# KiCad board analog_i.kicad_pcb (continued)
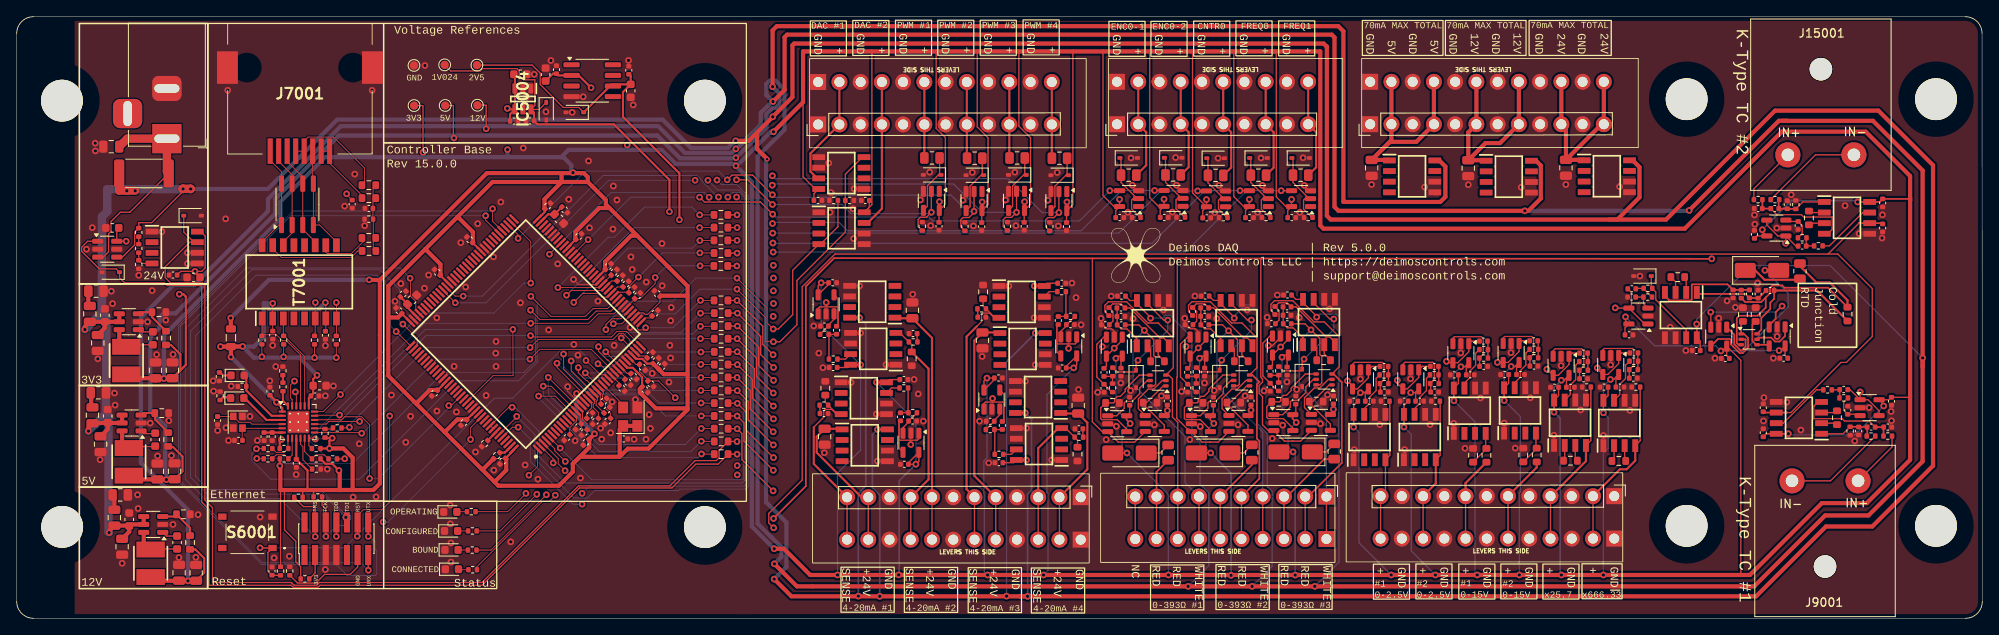
[diagram p0: board, top side]
## Routing (per net, layer and track width the routed paths; a pad name or vN(x,y) marks a point on that pad's centre or on a via; arc(x,y) is an arc through that point) (continued)
  Top w0.5: C6031.2 70.35,41.79 70.35,42.66 73.48,45.78 74.19,45.78 ; 72.11,19.33 67.35,19.33 66.5,18.48 ; 72.11,19.33 73.08,20.3 75.55,20.3 80.22,24.97 80.22,25.12 ; 72.11,19.33 C6043.2 72.11,22.61 Y6001.4 Y6001.1 ; 70.88,49.09 69.66,49.09 66.81,46.25 66.81,45.38 C6033.2 ; 70.88,49.09 70.45,49.52 70.45,50.05 68.29,52.21 ; 70.88,49.09 74.19,45.78 ; 65.15,53.27 65.15,52.24 65.17,52.21 ; 65.15,53.27 67.82,53.27 68.29,52.8 68.29,52.21 ; 65.15,53.27 56.22,53.27 43.42,40.47 ; 57.13,16.32 58.54,17.73 58.54,19.05 C6028.2 ; 57.13,16.32 57.59,15.86 64.83,15.86 66.5,17.53 66.5,18.48 ; 57.13,16.32 55.59,17.86 ; 65.17,52.21 63.11,50.15 63.11,49.03 C6037.2 ; 65.17,52.21 56.89,52.21 52.73,48.05 ; 65.17,52.21 68.29,52.21 ; C6039.2 54.55,44.99 54.55,46.23 52.73,48.05 ; 150.27,67.83 150.6,67.83 ; 150.27,67.83 155.88,67.83 155.88,47 156.27,46.62 199.47,46.62 211.08,58.23 221.11,58.23 226.42,52.92 226.42,50.02 ; 150.27,67.83 94.04,67.83 94.04,61.76 v1(90.49,58.22) ; C6038.2 50.67,41.1 50.67,42.36 48.86,44.18 ; C6022.2 74.51,27.43 74.51,27.02 76.42,25.12 80.22,25.12 ; 48.86,44.18 52.73,48.05 ; 48.86,44.18 44.43,39.75 44.43,36 ; 44.43,36 44.43,29.02 47.81,25.65 ; 44.43,36 45.58,36 C6036.2 ; 40.17,15.35 42.65,15.35 43.42,16.12 43.42,40.47 ; 40.17,15.35 40.17,19.22 39.06,20.33 v1(37.4,20.33) ; 40.17,15.35 38.62,15.35 ; C6025.2 77.36,29.21 80.22,29.21 ; 42.17,40.47 v1(42.15,40.5) 43.42,40.47 ; 38.62,15.35 31.52,15.35 31.52,18.19 v1(31.47,18.25) ; 38.62,15.35 38.62,17.59 v1(38.53,17.69) ; 47.81,25.65 47.81,25.74 49.4,27.32 50.26,27.32 C6032.2 ; 47.81,25.65 51.18,22.28 ; 80.22,38.6 80.22,29.21 ; 80.22,38.6 77.01,38.6 C6029.2 ; 80.22,38.6 80.22,39.75 74.19,45.78 ; 80.22,29.21 80.22,25.12 ; FB7001.1 v1(25.59,35.94) 25.62,35.91 ; C6030.2 53.76,23.8 52.7,23.8 51.18,22.28 ; 226.42,50.02 226.42,18.96 221.24,13.78 215.86,13.78 207.27,5.18 v1(189.74,5.18) v1(184.71,5.18) v1(179.68,5.18) v1(174.66,5.18) v1(169.65,5.18) v1(164.37,5.18) v1(137.72,5.18) v1(122.79,5.18) v1(116.11,5.18) v1(98.15,5.18) 94.88,5.18 91.75,8.32 v1(90.58,8.32) ; 226.42,50.02 226.42,50.3 ; v1(69.09,22.07) C6021.2 68.46,21.36 68.46,20.44 66.5,18.48 ; 55.59,17.86 51.18,22.28 ; 55.59,17.86 55.79,17.86 R6021.1 ; 13.11,29.53 L10001.1 13.57,28.72 C10006.1 18.63,28.74
  Top w1: 16.6,28.72 C10003.1
  In2.Cu w0.15: v1(153.01,23.44) 154.58,25.01 v1(157.46,25.01) ; v1(147.6,24.9) 144.74,24.9 v1(143.16,23.32) ; v1(126.4,29.96) 126.4,35.06 v1(121.69,39.77) ; v1(21.31,41.51) 21.31,40.65 v1(19.44,38.78) 19.42,38.78 v1(13.09,45.12) ; v1(133.15,23.31) 134.69,24.85 v1(137.59,24.85) ; v1(120.74,18.93) 116.03,23.64 v1(116.03,28.74)
  In2.Cu w0.25: v1(58.66,61.01) 58.66,56.11 v1(58.69,56.08) ; v1(73,56.63) 73,59.16 v1(68.69,63.48) ; v1(31.65,21.4) 31.65,18.43 v1(31.47,18.25)
  Bottom w0.15: v1(151.31,31.24) 151.31,25.14 v1(153.01,23.44) 152.05,22.48 152.05,20.48 v1(152.63,19.91) ; v1(210.75,32.04) 203.84,32.04 v1(203.79,31.99) ; v1(107.53,18.44) 107.53,23.54 v1(102.82,28.25) ; v1(178.72,30.13) 177.88,29.29 v1(177.88,26.06) 179.82,24.13 179.82,15.15 179.68,15.01 v1(179.68,5.18) ; v1(137.72,5.18) 137.72,5.19 137.72,14.83 v1(132.77,19.78) 132.19,20.35 132.19,22.35 v1(133.15,23.31) 131.45,25.01 v1(131.45,31.11) ; v1(116.11,5.18) 115.7,5.59 115.7,14.69 115.65,14.74 115.65,18.82 116.03,19.2 v1(116.03,28.74) ; v1(174.66,5.18) 174.38,5.46 174.38,23.52 v1(171.87,26.03) 171.87,29.26 v1(172.71,30.1) ; v1(166.7,27) 165.89,26.19 v1(165.89,22.88) 166.76,22.01 166.76,8.07 v1(169.65,5.18) ; v1(122.79,5.18) 123.32,5.72 123.32,14.91 123.2,15.04 123.2,26.77 v1(126.4,29.96) ; v1(209.06,41.64) 211.84,38.86 211.84,37.27 206.56,31.99 v1(203.79,31.99) ; v1(190.58,28.58) 189.74,27.74 v1(189.74,24.59) 190.31,24.02 190.31,20.32 189.74,19.75 v1(189.74,5.18) ; v1(96.2,40.14) 96.2,35.04 v1(100.91,30.33) 100.91,20.12 98.15,17.36 v1(98.15,5.18) ; v1(223.26,25.41) 219.8,21.95 212,21.95 v1(211.86,22.09) ; v1(142.77,19.79) 142.2,20.36 142.2,22.36 v1(143.16,23.32) 141.45,25.02 v1(141.45,31.12) ; v1(160.68,26.99) 159.87,26.18 v1(159.87,22.88) 160.52,22.22 160.52,9.03 v1(164.37,5.18) ; v1(203.79,31.99) 203.17,32.61 195.85,32.61 v1(192.39,36.08) ; 13.06,45.09 v1(13.09,45.12)
  Bottom w0.2: v1(220.14,49.81) 219.98,49.98 212.22,49.98 v1(208.74,46.49) ; v1(145.22,5.14) 145.22,17.35 v1(142.77,19.79) ; v1(152.89,5.17) 152.89,19.65 v1(152.63,19.91) ; v1(184.71,5.18) 184.57,5.33 184.57,23.94 v1(183.84,24.66) 183.84,27.62 v1(184.71,28.48) ; v1(107.53,18.44) 105.52,16.43 105.52,5.25 v1(105.47,5.19)
  Bottom w0.5: v1(66.52,53.32) 66.32,53.52 66.32,54.22 65.37,55.17 65.11,55.17 ; 58.7,55.17 65.11,55.17 ; 58.7,55.17 v1(58.69,56.08) 58.7,55.94 ; 58.7,55.17 36.86,55.17 31.52,49.83 31.52,47.77 17.6,33.85 v1(17.6,28.7) ; 65.11,55.17 65.99,56.05 73,56.05 ; v1(90.58,8.32) 87.91,10.99 87.91,52.23 v1(86,54.14) ; 73,56.05 v1(73,56.63) ; 73,56.05 77.11,56.05 78.79,54.37 85.77,54.37 v1(86,54.14) ; v1(69.09,22.07) 66.94,24.22 v1(66.94,26.89) ; v1(86,54.14) 86.1,54.14 90.17,58.22 v1(90.49,58.22) ; v1(42.15,40.5) 30.15,40.5 v1(25.59,35.94)
  vias: v1(110.34,49.85) v1(115.45,49.82) v1(120.53,49.85) v1(125.59,49.82)
+5V: length 241.6
  Top w0.15: TP7002.1 52.21,61.36 52.21,57.54 v1(52.28,57.47)
  Top w0.25: 19.82,17.58 19.82,19.36 ; C11008.1 19.82,17.59 ; 19.82,19.36 18.69,20.5 18.19,20.5
  Top w0.5: 13.42,17.06 13.86,16.62 C11007.1 18.85,16.62 C11008.1 ; IC3001.8 170.12,54.78 170.85,54.06 170.85,50.43 170.24,49.82 158.65,49.82 158.65,70.24 158.04,70.85 90.9,70.85 90.39,70.34 v1(90.39,63.61)
  Bottom w0.15: 17.6,16.6 v1(17.9,16.6)
  Bottom w0.5: v1(17.9,16.6) 17.9,17.62 17.75,17.77 17.75,23.03 15.97,24.8 15.97,33.64 17.07,34.74 17.07,36 17.57,36.5 19,36.5 30.92,48.42 30.92,50.2 38.5,57.77 76.61,57.77 79.34,55.04 85.94,55.04 v1(86,55.11) 89.66,58.77 89.66,60.33 90.4,61.06 90.73,61.06 91.21,61.54 91.21,62.78 v1(90.39,63.61)
+12V: length 728.9
  Top w0.15: v1(200.9,35.21) 200.91,35.2 IC4001.8 201.32,33.16 C4004.1 ; v1(155.45,36.04) 155.45,36.14 153.82,37.77 153.82,38.16 152.97,38.16 C17004.1 ; TP7001.1 56.14,61.39 56.14,58.73 56.2,58.66 ; C5004.1 133.11,38.03 IC5001.8 133.96,37.63 135.59,36.01 v1(135.59,35.91) ; v1(145.59,35.92) 145.59,36.02 143.97,37.64 IC13001.8 143.12,38.04 C13004.1
  Top w0.25: R12001.1 21.36,8.24 22.43,7.18 22.43,5.46 C12008.1
  Top w0.5: IC3003.8 181.69,54.75 182.26,54.18 182.26,50.24 180.77,48.75 158.07,48.75 157.59,49.24 157.59,69.51 157.26,69.84 92.13,69.84 91.83,69.53 91.83,63.22 v1(90.44,61.83) ; 227.92,30.11 227.92,53.58 221.98,59.52 211.66,59.52 ; 227.92,30.11 v1(227.92,31.15) ; 227.92,30.11 227.92,18.78 221.44,12.31 216.26,12.31 207.78,3.82 v1(155.22,3.82) v1(147.73,3.82) v1(140.09,3.82) 93.3,3.82 v1(90.61,6.51) ; v1(200,48.81) 210.72,59.52 211.66,59.52 ; 211.66,59.52 211.1,59.52 ; C12008.1 16.46,4.49 L12001.1
  Bottom w0.15: v1(147.73,3.82) 150.13,6.22 150.13,15.19 149.57,15.75 149.57,22.1 148.32,23.35 148.32,34.83 148.3,34.85 148.3,36.73 147.53,37.5 146.93,37.5 145.59,36.17 v1(145.59,35.92) ; v1(227.92,31.15) 216.86,42.21 207.34,42.21 200.9,35.77 v1(200.9,35.21) ; v1(140.09,3.82) 142.55,6.29 142.55,14.99 141.51,16.03 141.51,20.98 140.52,21.96 140.52,33.61 137.88,36.25 137.41,36.25 137.06,35.91 v1(135.59,35.91) ; v1(155.45,36.04) 155.8,36.38 157.74,36.38 158.12,36.01 158.12,6.72 v1(155.22,3.82)
  Bottom w0.5: v1(200,48.81) 199.95,48.75 v1(180.35,48.75) ; v1(20.48,4.47) 20.48,12.96 14.85,18.59 14.85,36 18.7,39.85 21.17,39.85 30.05,48.72 30.05,50.17 38.78,58.9 76.7,58.9 79.92,55.68 85.51,55.68 v1(86,56.17) 86.07,56.17 88.98,59.08 88.98,60.49 90.32,61.83 v1(90.44,61.83) 89.64,62.63 89.64,63.92 90.08,64.36 90.71,64.36 91.81,63.26 91.81,58.46 88.6,55.24 88.6,11.33 90.2,9.73 90.24,9.73 91.44,8.52 91.44,7.35 v1(90.61,6.51)
  vias: v1(56.13,58.57)
+24V: length 712
  Top w0.15: U8001.4 12.63,43.22 14.1,44.69 14.1,46.19 R8006.1 ; R8006.1 14.75,46.84 ; R8006.1 14.59,47.32 14.61,47.34 16.14,47.34 19.9,51.1 v1(19.9,51.37) ; v1(100.78,35.98) 100.77,35.97 IC20001.8 ; v1(102.95,22.6) 102.96,22.61 IC17004.8 ; IC24001.8 121.83,34.13 v1(121.82,34.12) ; v1(120.61,24.58) 120.6,24.57 IC28001.8
  Top w0.5: 8.17,34.53 v1(8.15,34.55) 8.15,34.88 C10004.1 12.25,35.48 IC10001.5 IC10001.4 ; 119.89,2.63 v1(120.88,2.63) ; 119.89,2.63 208.01,2.63 216.36,10.98 221.9,10.98 229.16,18.25 229.16,54.22 222.64,60.74 210.27,60.74 197.24,47.71 190.45,47.71 ; 119.89,2.63 92.64,2.63 v1(90.58,4.69) ; IC3002.8 193.25,54.8 194.06,53.99 194.06,50.37 191.4,47.71 190.45,47.71 ; IC12001.4 IC12001.5 13.64,11.23 C12001.1 ; C12001.1 13.42,11.09 C12002.1 11.05,10.47 v1(11.05,10.25) 11.05,10.27 ; C12001.1 13.46,10.36 C12003.1 ; 88.53,58.13 v1(90.41,60.01) 90.41,60.02 92.77,62.37 92.77,68.57 92.97,68.77 156.29,68.77 156.65,68.41 156.67,68.41 156.67,48.17 157.13,47.71 190.45,47.71 ; 88.53,58.13 88.53,56.17 89.74,54.97 v2(89.74,54.94) ; 88.53,58.13 87.55,57.14 v1(85.98,57.14) ; C10005.1 10.54,34.75 C10002.1 ; 10.89,23.38 10.89,22.62 10.02,21.75 ; IC11002.4 IC11002.5 9.13,23.37 8.57,22.81 v1(8.57,22.4)
  Top w1: 13.14,51.18 12.25,51.18 R8004.1 ; 19.8,51.4 19.87,51.4 v1(19.9,51.37) 19.92,51.4 20.77,51.4 v1(20.8,51.37) 20.82,51.4 ; 13.19,51.18 14.16,51.18
  Bottom w0.15: v1(118.37,2.65) 118.37,30.68 118.49,30.8
  Bottom w0.2: v1(120.88,2.63) 120.88,14.85 121.35,15.32 121.35,23.83 v1(120.61,24.58) ; v1(121.82,34.12) 118.49,30.8 ; v1(100.78,35.98) 101.53,35.23 101.53,15.81 100.64,14.92 v1(100.64,2.65) ; 118.22,2.65 118.22,2.66 ; v1(103.21,2.63) 103.21,14.74 102.33,15.62 102.33,21.98 v1(102.95,22.6)
  Bottom w0.5: v2(89.74,54.94) 89.6,54.81 89.6,13.91 92.04,11.47 92.04,6.15 v1(90.58,4.69) ; v1(85.98,57.14) 85.91,57.14 85.05,56.28 80.62,56.28 77.23,59.67 38.32,59.67 30.02,51.37 v1(20.8,51.37)
  Bottom w1: 10.19,36.59 10.7,36.08 10.7,27.37 10.67,27.35 10.67,24.5 ; 10.19,36.59 v1(8.15,34.55) ; 10.19,36.59 10.19,48.05 10.82,48.69 10.82,51.35 20.77,51.35 v1(20.8,51.37) ; 10.67,24.5 v1(8.57,22.4) ; 10.67,24.5 10.97,24.2 10.97,10.32 v1(11.05,10.25)
  vias: v1(13.16,51.16) v1(14.16,51.16)
/analog_frontend/4-20mA Frontend1/sallen_key_3kHz3/VIN: length 2.2
  Top w0.15: R33001.1 99.11,31.01 IC14001.7 99.3,31.61
/analog_frontend/4-20mA Frontend2/sallen_key_3kHz3/VIN: length 2.2
  Top w0.15: 123.3,38.49 IC18001.7 123.48,39.09 R31001.1
/analog_frontend/4-20mA Frontend3/sallen_key_3kHz3/VIN: length 2.2
  Top w0.15: R29001.1 118.94,19.62 IC22001.7 119.12,20.21
/analog_frontend/4-20mA Frontend/sallen_key_3kHz3/VIN: length 2.2
  Top w0.15: R35001.1 104.61,27.56 IC11001.7 104.43,26.97
/analog_frontend/ain_0-15V_1/sallen_key_3kHz8/VIN: length 5.3
  Top w0.15: R41001.1 180.47,31.73 180.47,30.3 179.81,29.64 179.81,28.86 179.14,28.18 IC40001.7
/analog_frontend/ain_0-15V_1/VIN: length 10.6
  Top w0.15: J3004.6 J3004.6
  Top w0.25: R40001.2 181.77,18.04 J3004.6
/analog_frontend/ain_0-15V_/sallen_key_3kHz8/VIN: length 5.3
  Top w0.15: IC42001.7 173.13,28.15 173.8,28.83 173.8,29.61 174.46,30.27 174.46,31.7 R43001.1
/analog_frontend/ain_0-15V_/VIN: length 10.2
  Top w0.15: J3004.8 J3004.8
  Top w0.25: J3004.8 173.26,16.18 R42001.2
/analog_frontend/ain_g1_1/sallen_key_3kHz7/VIN: length 5.5
  Top w0.15: IC44001.7 167.16,25.09 167.8,25.73 167.8,26.46 168.58,27.25 168.58,28.7 R45001.1
/analog_frontend/ain_g1_1/VIN: length 17.3
  Top w0.15: R44001.1 170.22,25.94 170.22,19.5 IC44001.4 ; J3004.10 J3004.10
  Top w0.25: J3004.10 169.7,16.14 IC44001.4
/analog_frontend/ain_g1_/sallen_key_3kHz7/VIN: length 5.5
  Top w0.15: R47001.1 162.56,28.7 162.56,27.24 161.78,26.46 161.78,25.72 161.14,25.08 IC46001.7
/analog_frontend/ain_g1_/VIN: length 16.9
  Top w0.15: J3004.12 J3004.12 163.68,15.2 IC46001.4 164.21,19.49 164.21,25.93 R46001.1
/analog_frontend/ain_g25p7_/sallen_key_1kHz2/VIN: length 5.3
  Top w0.15: R39001.1 186.42,30.28 186.42,28.55 185.78,27.9 185.78,26.77 IC38001.7
/analog_frontend/ain_g25p7_/VIN: length 20.2
  Top w0.15: J3004.4 J3004.4 ; IC38001.4 188.24,21.27 R38002.1
  Top w0.25: J3004.4 183.47,14.62 187.66,18.8 IC38001.4
/analog_frontend/ain_g666p333_/sallen_key_100Hz1/VIN: length 5.4
  Top w0.15: IC36001.7 191.7,26.77 191.7,28 192.39,28.69 192.39,30.29 R37001.2
/analog_frontend/ain_g666p333_/VIN: length 20.9
  Top w0.15: IC36001.4 194.14,21.25 R36002.1 ; J3004.2 J3004.2
  Top w0.25: J3004.2 191.71,17.83 192.52,17.83 193.55,18.86 IC36001.4
/analog_frontend/K-Type TC Amp1/sallen_key_1kHz/VIN: length 7.3
  Top w0.15: R19001.1 216.77,44.56 220.76,48.55 IC15001.7
/analog_frontend/K-Type TC Amp/sallen_key_1kHz/VIN: length 7.3
  Top w0.15: IC9001.7 211.24,23.35 215.23,27.34 R17001.1
/analog_frontend/pwm_in_buf1/VIN: length 12.1
  Top w0.25: R48001.1 135.07,54.21 135.07,58.17 J3005.2 J3005.2
/analog_frontend/pwm_in_buf2/VIN: length 12
  Top w0.25: J3005.10 J3005.10 155.39,58.17 155.39,53.96 R52001.1
/analog_frontend/pwm_in_buf3/VIN: length 11.9
  Top w0.25: J3005.8 J3005.8 150.31,58.17 150.31,53.92 R51001.1
/analog_frontend/pwm_in_buf4/VIN: length 12
  Top w0.25: J3005.6 J3005.6 145.23,58.17 145.23,53.94 R50001.1
/analog_frontend/pwm_in_buf/VIN: length 11.9
  Top w0.25: R49001.1 140.15,53.99 140.15,58.17 J3005.4 J3005.4
GND: length 15.8
  Top w0.1: v1(27.89,24.16) 27.92,24.14 ; IC6001.16 67.58,25.52 66.89,26.21 66.85,26.21 65.86,27.19 v1(65.88,27.72) 65.86,27.73 ; 41.6,49.01 C7012.2 ; IC6001.51 69.27,39.92 67.21,39.92 v1(66.58,40.55) ; 24.02,22.24 24.02,22.21
  Top w0.15: v1(149.68,32.63) 150.16,32.63 151.12,33.6 U27001.2 ; IC8001.1 16.18,46.29 ; v1(129.67,35.88) 129.67,35.35 130.38,34.63 130.93,34.63 131.26,34.3 U21001.2 ; U24001.2 141.26,34.31 140.93,34.64 140.39,34.64 139.68,35.36 v1(139.68,35.89)
  Top w0.25: 25.68,27.75 v1(25.65,27.78) ; v1(37.14,17.86) 37.15,17.85 ; 23.25,27.18 23.3,27.13 ; 33.43,17.2 33.42,17.19 v1(33.42,17.21) 33.44,17.21 ; 28.55,21.27 28.54,21.26 ; 23.28,28.41 23.25,28.38 ; 169.55,50.74 169.96,50.74 ; 37.03,26.61 37,26.64 ; v1(30.97,30.12) 30.98,30.12
  vias: v1(8.33,44.16) v1(9.03,46.74) v1(9.38,56.85) v1(9.4,55.92) v1(9.7,31.05) v1(9.97,18.98) v1(11.31,39.14) v1(11.46,37.65) v1(11.69,26.95) v1(11.76,25.51) v1(12.61,6.58) v1(14.46,14.78) v1(14.52,13.14) v1(14.59,41.04) v1(15.65,35.48) v1(15.96,23.36) v1(16.19,39.21) v1(16.72,31.56) v1(16.84,19.42) v1(17.37,46.27) v1(17.82,35.69) v1(18.18,23.65) v1(18.5,19.47) v1(18.69,31.58) v1(18.69,11.23) v1(19.4,7.27) v1(20.42,43.74) v1(20.42,42.44) v1(21.43,7.3) v1(21.69,12.4) v1(23.49,28.41) v1(23.54,27.18) v1(24.03,22.47) v1(24.98,47.8) v1(25.02,22.8) v1(25.23,63.18) v1(25.32,21.27) v1(28.78,21.27) v1(29.1,12.11) v1(30.27,28.41) v1(30.61,32.65) v1(30.77,7.23) v1(32.6,7.42) v1(36.92,32.63) v1(36.9,26.63) v1(36.9,5.83) v1(37.87,27.8) v1(39.22,49.32) v1(40.22,14.5) v1(40.42,53.15) v1(40.96,20.88) v1(41.6,46.98) v1(42.5,63.18) v1(42.97,14.53) v1(44.8,26.71) v1(45.23,37.93) v1(45.93,40.05) v1(46.52,21.06) v1(47.09,24.17) v1(48.75,39.5) v1(48.81,66.14) v1(49.25,41.07) v1(50.23,35.95) v1(50.24,24.8) v1(51.83,13.54) v1(51.85,11.3) v1(51.92,9.01) v1(51.92,6.73) v1(52.3,30.15) v1(52.57,24.69) v1(53.1,44.95) v1(53.68,39.64) v1(54.86,19.9) v1(55.12,47.22) v1(56.13,26.66) v1(57.01,43.24) v1(57.05,17.72) v1(57.31,33.12) v1(57.28,31.72) v1(57.31,30.14) v1(57.89,49.81) v1(59.07,9.15) v1(60.23,37.75) v1(60.58,56.27) v1(60.8,18.35) v1(60.98,62.4) v1(61.88,65.09) v1(62.32,16.65) v1(63.28,60.61) v1(63.6,34.51) v1(63.88,66.74) v1(64.69,42.41) v1(66.01,50.13) v1(66.42,60.54) v1(66.62,32.77) v1(66.77,21.25) v1(67.11,31.49) v1(67.41,16.78) v1(67.75,62.41) v1(68.38,54.73) v1(68.49,46.72) v1(69.5,37.95) v1(69.82,22.75) v1(69.96,21.43) v1(71.02,22.2) v1(71.2,25.9) v1(71.35,51.73) v1(71.3,46.57) v1(71.44,32.66) v1(71.78,50.05) v1(73.16,66.76) v1(73.34,34.8) v1(73.45,43.25) v1(73.6,41.73) v1(73.72,61.43) v1(73.82,21.42) v1(73.98,26.16) v1(75.25,21.42) v1(75.28,40.23) v1(75.62,24.37) v1(75.77,22.72) v1(75.99,29.3) v1(77.16,44.84) v1(77.19,39.79) v1(78,28.26) v1(78.1,32.66) v1(78.2,35.61) v1(78.19,31.15) v1(78.27,37.19) v1(95.31,34.98) v1(95.92,31.73) v1(96.41,29.99) v1(96.58,19.81) v1(97.11,54.47) v1(97.26,48.58) v1(97.39,50.94) v1(99.78,28.23) v1(100,49.01) v1(100.13,51.4) v1(100.08,45.43) v1(100.8,39.77) v1(100.93,34.14) v1(102.8,24.44) v1(102.93,18.81) v1(103.95,30.34) v1(107.15,38.77) v1(107.32,28.59) v1(107.81,26.85) v1(108.06,50.06) v1(108.42,23.6) v1(109.17,53.38) v1(109.3,46.98) v1(113.16,50.02) v1(114.28,53.35) v1(114.41,46.95) v1(115.14,23.58) v1(115.45,31.33) v1(116.24,18.59) v1(118.24,50.05) v1(118.65,39.76) v1(119.36,53.38) v1(119.49,46.98) v1(120.62,28.37) v1(120.75,22.74) v1(121.67,35.96) v1(121.8,30.33) v1(123.31,50.02) v1(123.77,18.95) v1(124.42,53.35) v1(124.55,46.95) v1(126.19,40.11) v1(126.68,38.37) v1(126.97,27.37) v1(127.29,35.12) v1(129.26,27.04) v1(129.82,32.5) v1(130.28,21.38) v1(130.89,38.55) v1(131.5,22.97) v1(132.03,28.16) v1(132.87,48.58) v1(133.25,55.08) v1(133.2,27.24) v1(133.41,51.83) v1(133.5,35.86) v1(136.04,23.16) v1(136.88,26.61) v1(137.14,36.9) v1(138.19,48.6) v1(138.59,55.13) v1(138.69,51.83) v1(139.3,27.14) v1(139.83,32.51) v1(140.29,21.39) v1(140.9,38.56) v1(141.53,22.95) v1(142.04,28.17) v1(143.21,27.26) v1(143.27,48.55) v1(143.51,35.87) v1(143.67,55.05) v1(143.77,51.8) v1(146.05,23.17) v1(146.89,26.62) v1(147.14,36.91) v1(148.39,48.58) v1(148.8,55.08) v1(148.95,51.8) v1(149.15,27.21) v1(149.53,36.01) v1(150.14,21.51) v1(150.75,38.68) v1(151.39,23.1) v1(151.89,28.29) v1(153.06,27.38) v1(153.37,35.99) v1(153.44,48.58) v1(153.83,55.1) v1(153.98,51.8) v1(155.91,23.29) v1(156.74,26.74) v1(157,37.03) v1(159.95,20.18) v1(160.68,28.63) v1(162.02,51.9) v1(163,23.18) v1(165.97,20.19) v1(166.68,28.65) v1(168.37,51.6) v1(169.01,23.18) v1(171.85,23.31) v1(172.68,31.75) v1(173.19,20.34) v1(173.59,51.88) v1(175.05,26.36) v1(177.88,23.36) v1(178.69,31.78) v1(179.2,20.36) v1(179.91,51.57) v1(181,26.38) v1(183.82,21.91) v1(184.68,30.24) v1(185.25,51.9) v1(187.02,24.93) v1(189.74,21.87) v1(190.61,30.33) v1(191.68,51.65) v1(192.91,24.87) v1(194.12,40.95) v1(197.72,34.83) v1(199.6,32.04) v1(203.08,31.12) v1(203.53,35.91) v1(204.53,37.98) v1(205.53,37.21) v1(207.8,48.26) v1(207.85,47.15) v1(208.18,40.11) v1(208.94,26.4) v1(208.89,23.62) v1(210.07,31.12) v1(210.48,46.7) v1(210.52,33.72) v1(211.68,25.87) v1(212.2,50.68) v1(213.36,22.52) v1(218.64,49.38) v1(219.8,21.22) v1(220.32,46.03) v1(221.53,25.2) v1(223.06,45.5) v1(223.11,48.28) v1(224.15,24.75) v1(224.2,23.64)
/analog_frontend/4-20mA Frontend1/+24_EXC: length 29.6
  Top w0.15: J3003.8 J3003.8
  Top w0.25: IC20001.1 105.09,35.9 C20001.2 109.45,33.55 J3003.8
/analog_frontend/4-20mA Frontend1/SIGNAL: length 27.5
  Top w0.15: J3003.9 J3003.9 ; IC14001.4 105.61,34.15 R14001.2 107.03,32.73 R14002.2
  Top w0.25: J3003.9 109.04,16.62 109.04,29.86 R14002.2
/analog_frontend/4-20mA Frontend2/+24_EXC: length 28.4
  Top w0.15: J3003.5 J3003.5
  Top w0.25: J3003.5 114.51,17.05 114.51,33.23 C24001.2 117.51,34.2 IC24001.1
/analog_frontend/4-20mA Frontend2/SIGNAL: length 33.8
  Top w0.15: 114.82,34.94 115.38,35.5 115.38,36.39 115.51,36.52 116.34,36.52 116.9,35.95 IC18001.4 116.99,35.95 R18001.2 115.57,37.37 R18002.2 ; J3003.6 J3003.6
  Top w0.25: J3003.6 113.58,15.44 113.58,33.7 114.82,34.94
/analog_frontend/4-20mA Frontend3/+24_EXC: length 19
  Top w0.15: J3003.2 J3003.2
  Top w0.25: IC28001.1 124.92,24.5 C28001.2 128.03,23.41 128.03,17.83 J3003.2
/analog_frontend/4-20mA Frontend3/SIGNAL: length 18.1
  Top w0.15: R22002.2 126.86,21.33 R22001.2 125.44,22.75 IC22001.4 ; J3003.3 J3003.3
  Top w0.25: J3003.3 122.15,20.36 124.55,22.75 IC22001.4
/analog_frontend/4-20mA Frontend/+24_EXC: length 18.8
  Top w0.15: J3003.11 J3003.11
  Top w0.25: J3003.11 101.01,14.49 95.67,19.84 95.67,21.73 C17008.2 98.63,22.68 IC17004.1
/analog_frontend/4-20mA Frontend/SIGNAL: length 23.3
  Top w0.15: R11002.2 96.7,25.85 R11001.2 98.12,24.43 IC11001.4 98.03,24.43 97.47,24.99 96.69,24.99 96.51,24.81 96.51,24.07 95.32,22.87 ; J3003.12 J3003.12
  Top w0.25: 95.32,22.87 95.32,18.47 J3003.12
/analog_frontend/AIN2: length 146.7
  Top w0.15: U15001.4 191.2,37.12 v1(191.17,37.15) ; U15001.4 193.09,37.42 193.09,38.99 C15007.2 ; U15001.4 194.69,35.22 U15001.1 ; R6003.1 86.14,22.69 v1(86.15,22.67) 86.72,22.11 86.72,18.99 v1(90.45,15.25)
  In2.Cu w0.15: v1(90.45,15.25) 96.14,15.25 98.03,13.36 192.73,13.36 194.01,14.64 194.01,35.27 192.13,37.15 v1(191.17,37.15)
/analog_frontend/AIN3: length 36.8
  Top w0.15: 105.51,23.45 105.51,20.34 U35001.4 ; 105.51,23.45 C35002.2 ; 105.51,23.45 105.51,21.42 105.63,21.31 106.89,21.31 ; 106.89,21.31 106.89,20.81 v1(106.91,20.79) ; 106.89,21.31 107.71,21.31 107.89,21.48 U35001.1 ; R6007.1 86.15,24.21 v1(86.15,24.2) 86.97,23.39 86.97,21.21 v1(90.47,17.71)
  In2.Cu w0.15: v1(106.91,20.79) 103.83,17.71 v1(90.47,17.71)
/analog_frontend/AIN4: length 44.8
  Top w0.15: 96.8,37.27 v1(96.8,37.78) ; 96.8,37.27 96.01,37.27 95.84,37.09 U33001.1 ; 96.8,37.27 98.1,37.27 98.21,37.15 98.21,35.12 ; 98.21,35.12 98.21,38.23 U33001.4 ; 98.21,35.12 C33002.2 ; R6008.1 86.16,25.74 v1(86.17,25.72) 87.22,24.68 87.22,22.5 v1(90.49,19.23)
  In2.Cu w0.15: v1(90.49,19.23) 97.07,19.23 97.64,19.8 97.64,36.94 v1(96.8,37.78)
/analog_frontend/AIN5: length 72.5
  Top w0.15: 125.76,32.83 125.76,32.29 v1(125.79,32.29) 125.79,32.27 ; 125.76,32.83 126.58,32.83 126.76,33.01 U31001.1 ; 125.76,32.83 124.5,32.83 124.38,32.95 124.38,34.98 ; 124.38,34.98 C31002.2 ; 124.38,34.98 124.38,31.87 U31001.4 ; R6004.1 86.14,27.26 v1(86.16,27.24) 87.47,25.94 87.47,23.76 v1(90.48,20.75)
  In2.Cu w0.15: v1(125.79,32.29) 122.53,29.04 122.53,17 90.2,17 89.67,17.54 89.67,19.93 v1(90.48,20.75)
/analog_frontend/AIN6: length 57.3
  Top w0.15: U29001.1 115.67,25.7 115.84,25.87 116.69,25.87 ; 116.69,25.87 117.93,25.87 118.04,25.76 118.04,23.73 ; 116.69,25.87 v1(116.69,26.3) ; v1(90.46,22.32) 87.72,25.06 87.72,27.24 v1(86.14,28.81) R6005.1 ; 118.04,23.73 118.04,26.84 U29001.4 ; 118.04,23.73 C29002.2
  In2.Cu w0.15: v1(116.69,26.3) 116.69,28.94 116.32,29.32 112.5,29.32 101.83,18.65 90.24,18.65 89.92,18.97 89.92,19.46 90.26,19.8 90.38,19.8 91.06,20.48 91.06,21.72 v1(90.46,22.32)
/analog_frontend/AIN7: length 73.8
  Top w0.15: R6006.1 86.16,30.36 v1(86.17,30.35) 87.97,28.56 87.97,26.38 v1(90.49,23.86) ; C21002.2 130.31,30.19 U21001.4 131.25,32.3 v1(131.25,32.32) 131.26,32.32 132.21,33.26 U21001.1
  In2.Cu w0.15: v1(90.49,23.86) 89.42,22.78 89.42,17.25 90.12,16.55 122.46,16.55 130.87,24.95 130.87,31.94 v1(131.25,32.32)
/analog_frontend/AIN8: length 89.6
  Top w0.15: v1(90.48,25.4) 88.22,27.66 88.22,29.84 v1(86.16,31.89) 86.16,31.89 R6009.1 ; C24003.2 140.31,30.2 U24001.4 v1(141.3,32.36) 142.21,33.28 U24001.1
  In2.Cu w0.15: v1(141.3,32.36) 138.51,29.57 138.51,16.52 138.29,16.3 90.02,16.3 89.17,17.15 89.17,24.08 v1(90.48,25.4)
/analog_frontend/AIN9: length 102.2
  Top w0.15: v1(90.47,26.96) 88.47,28.96 88.47,31.14 v1(86.15,33.45) R6010.1 ; C27002.2 150.17,30.32 U27001.4 v1(151.14,32.47) 152.07,33.4 U27001.1
  In2.Cu w0.15: v1(90.47,26.96) 88.92,25.4 88.92,17.05 89.98,15.99 148.52,15.99 150.73,18.2 150.73,32.06 v1(151.14,32.47)
/analog_frontend/AIN10: length 167.8
  Top w0.15: v1(90.5,28.48) 88.72,30.26 88.72,32.44 v1(86.18,34.97) 86.17,34.96 R6011.1 ; U17002.1 219.23,27.36 C17006.2 ; U17002.1 v1(220.45,27.09) 220.44,27.08 ; U17002.1 221.39,26.15 222.71,24.83 U17002.4
  In2.Cu w0.15: v1(220.45,27.09) 206.81,27.09 192.84,13.11 91.45,13.11 88.67,15.89 88.67,26.64 v1(90.5,28.48)
/analog_frontend/AIN11: length 192.9
  Top w0.15: U19001.1 212.77,44.54 C19002.2 ; U19001.1 210.61,45.75 209.29,47.07 U19001.4 ; U19001.1 211.56,44.89 v1(211.54,44.87) ; R6012.1 v1(86.18,36.51) 88.97,33.73 88.97,31.55 v1(90.5,30.02)
  In2.Cu w0.15: v1(90.5,30.02) 88.42,27.93 88.42,15.69 91.24,12.86 192.94,12.86 204.83,24.75 219.79,24.75 221.03,25.99 221.03,35.38 v1(211.54,44.87)
/analog_frontend/AIN12: length 105.5
  Top w0.15: C47002.2 162.06,30.14 U47001.1 161.64,28.78 160.31,27.45 U47001.4 159.74,27.8 v1(159.14,28.41) ; R6013.1 86.13,38.04 v1(86.13,38.03) 89.22,34.95 89.22,32.77 v1(90.45,31.54)
  In2.Cu w0.15: v1(159.14,28.41) 159.14,39.91 158.04,41.01 94.44,41.01 94.09,40.65 94.09,31.53 90.46,31.53 v1(90.45,31.54)
/analog_frontend/AIN13_DAC0: length 55.7
  Top w0.1: 71.36,35.23 71.35,35.23 v1(71.34,35.24) 71.37,35.23 72.36,35.23 IC6001.40 74.03,36.9 ; v1(90.49,33.09) 90.44,33.14 89.53,33.14 89.53,35.99 v1(86.13,39.38)
  Top w0.15: IC53001.4 101.13,55.18 99.09,53.14 R53001.1 99.09,46.21 93.3,40.42 93.3,35.12 91.27,33.09 v1(90.49,33.09)
  Bottom w0.1: v1(86.13,39.38) 81.7,39.38 78.74,36.42 72.52,36.42 v1(71.34,35.24)
